# Altium PCB Mini-DSO-WaveGen-in-one.PcbDoc
Units mil, origin at the board's own origin, x right, y up, seen from the top; angles counter-clockwise.
Board outline 6000 x 4000 mil, 2 copper layers (Top Layer, Bottom Layer); 160 components, 102 nets, 553 pads, 8 vias.
Unrouted connection lines stored in the file: 250.
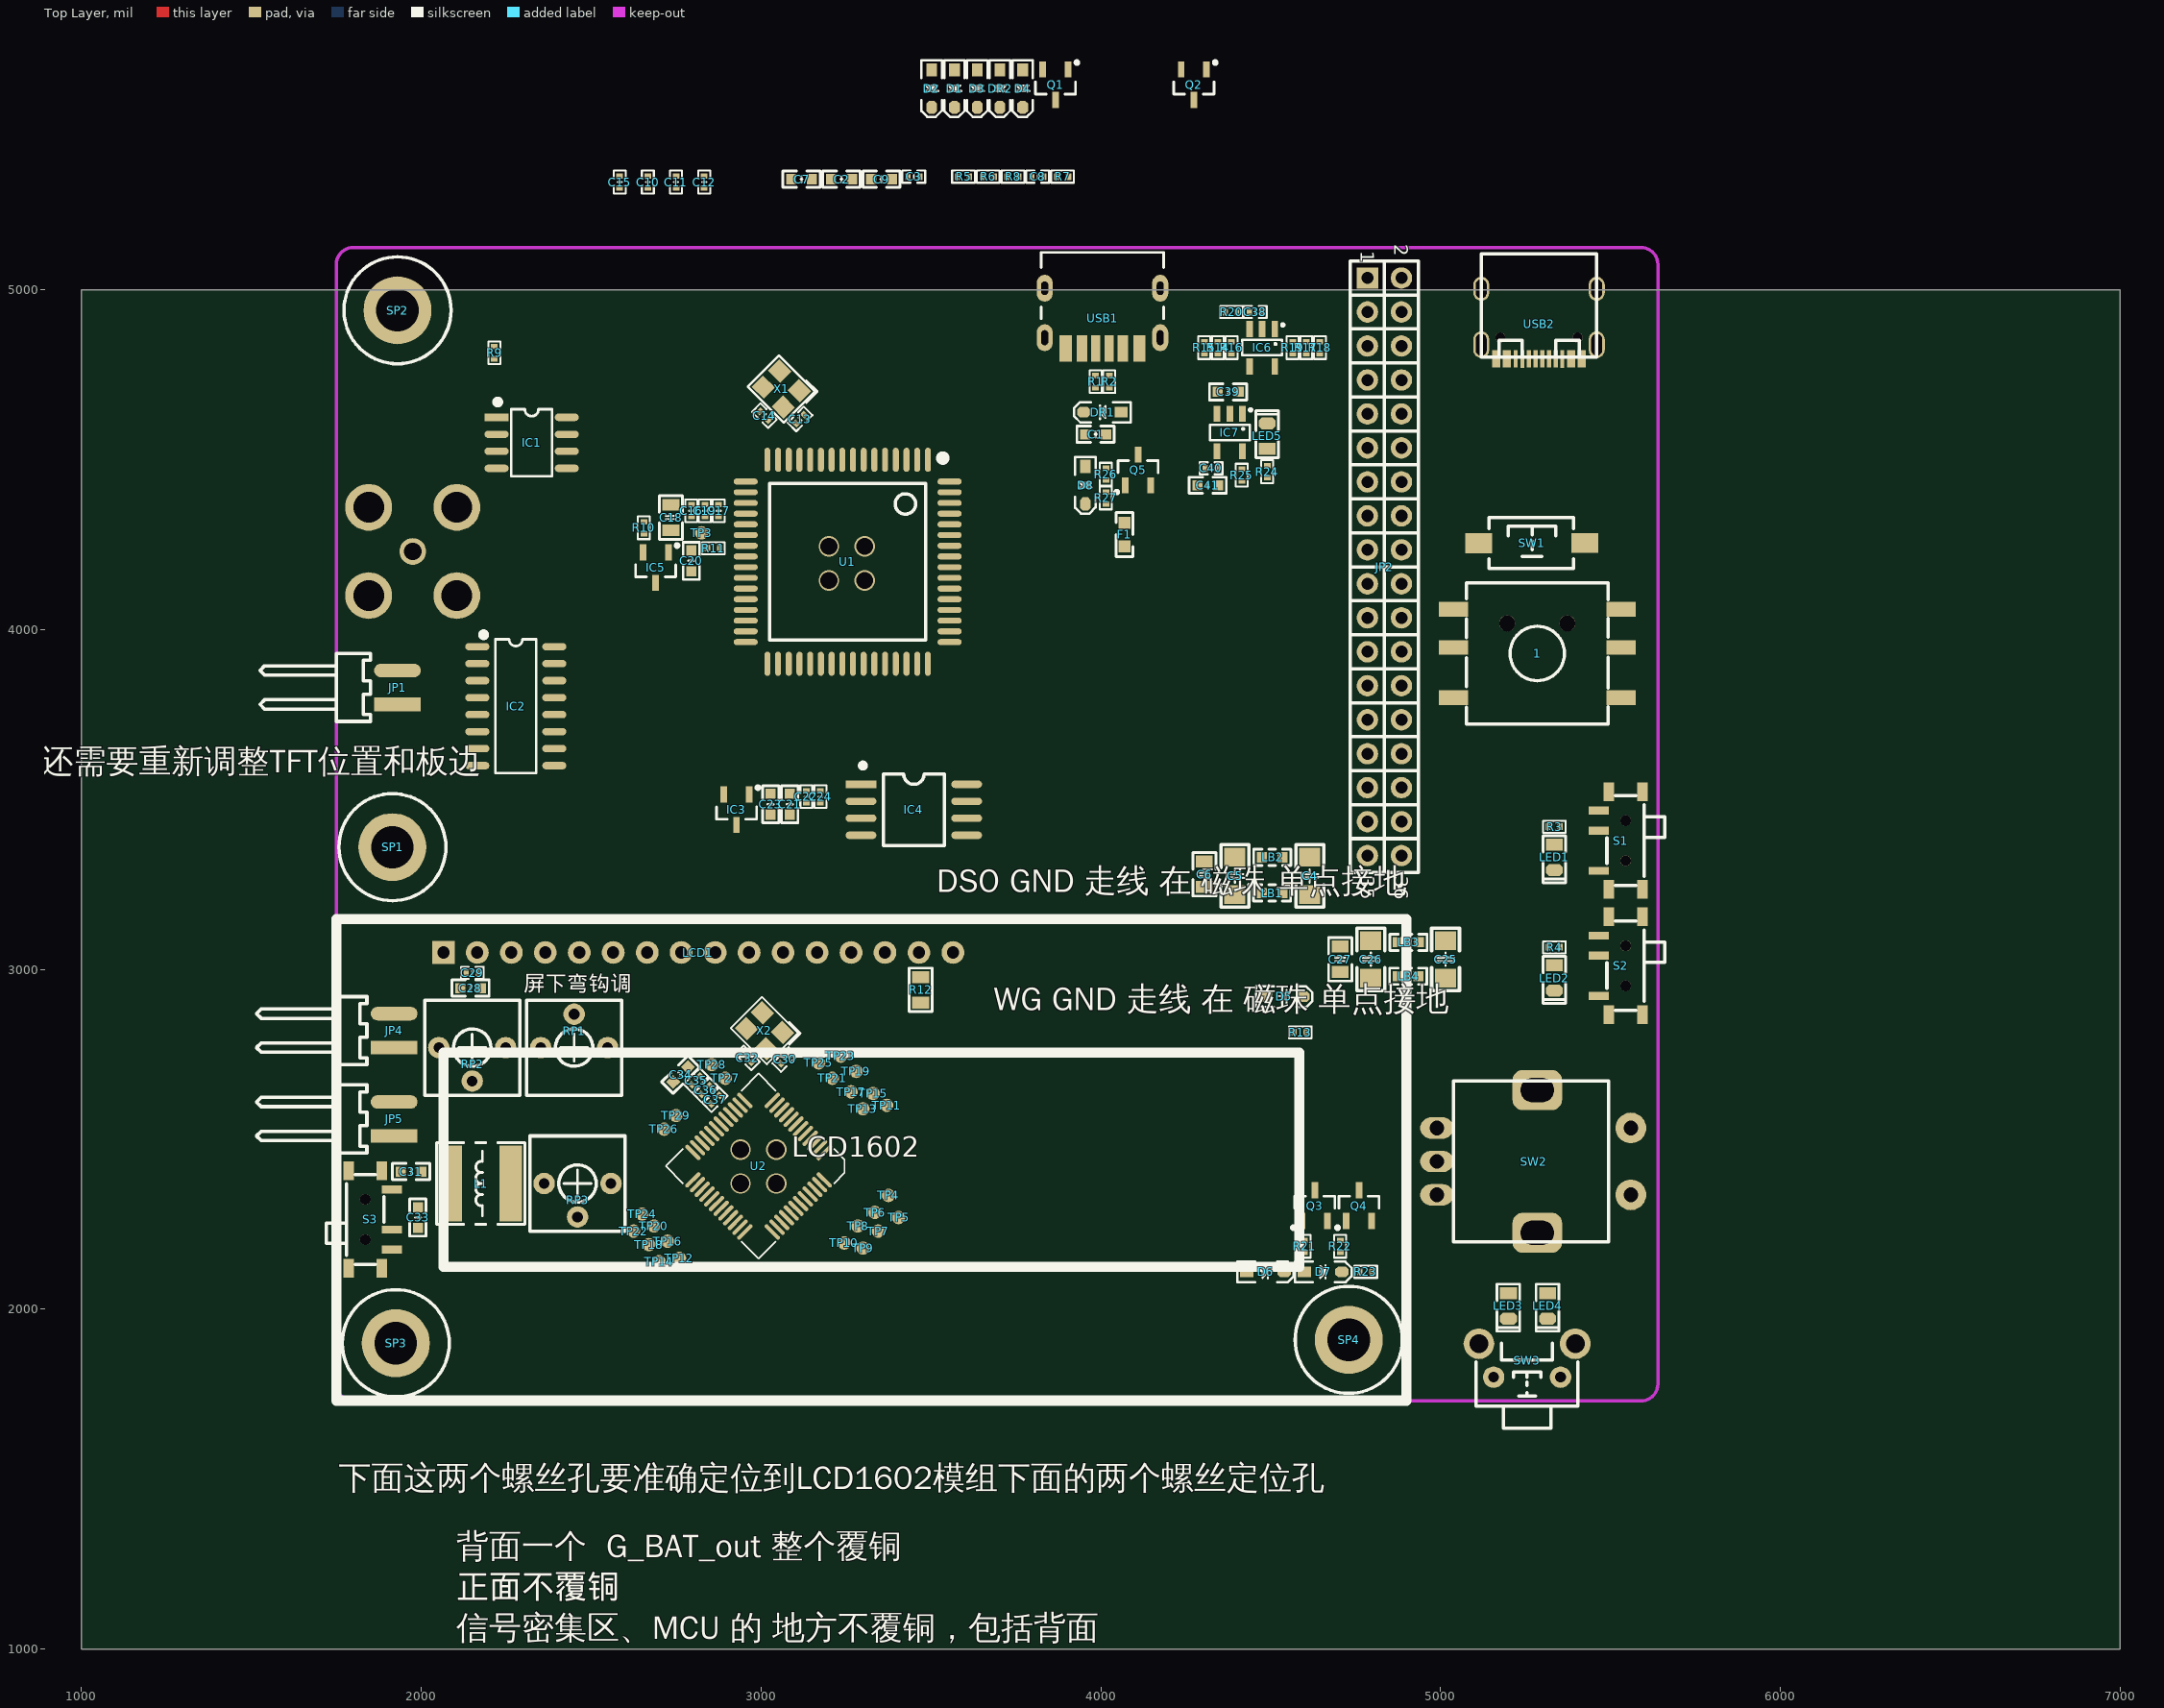
[diagram p0: Top Layer view]
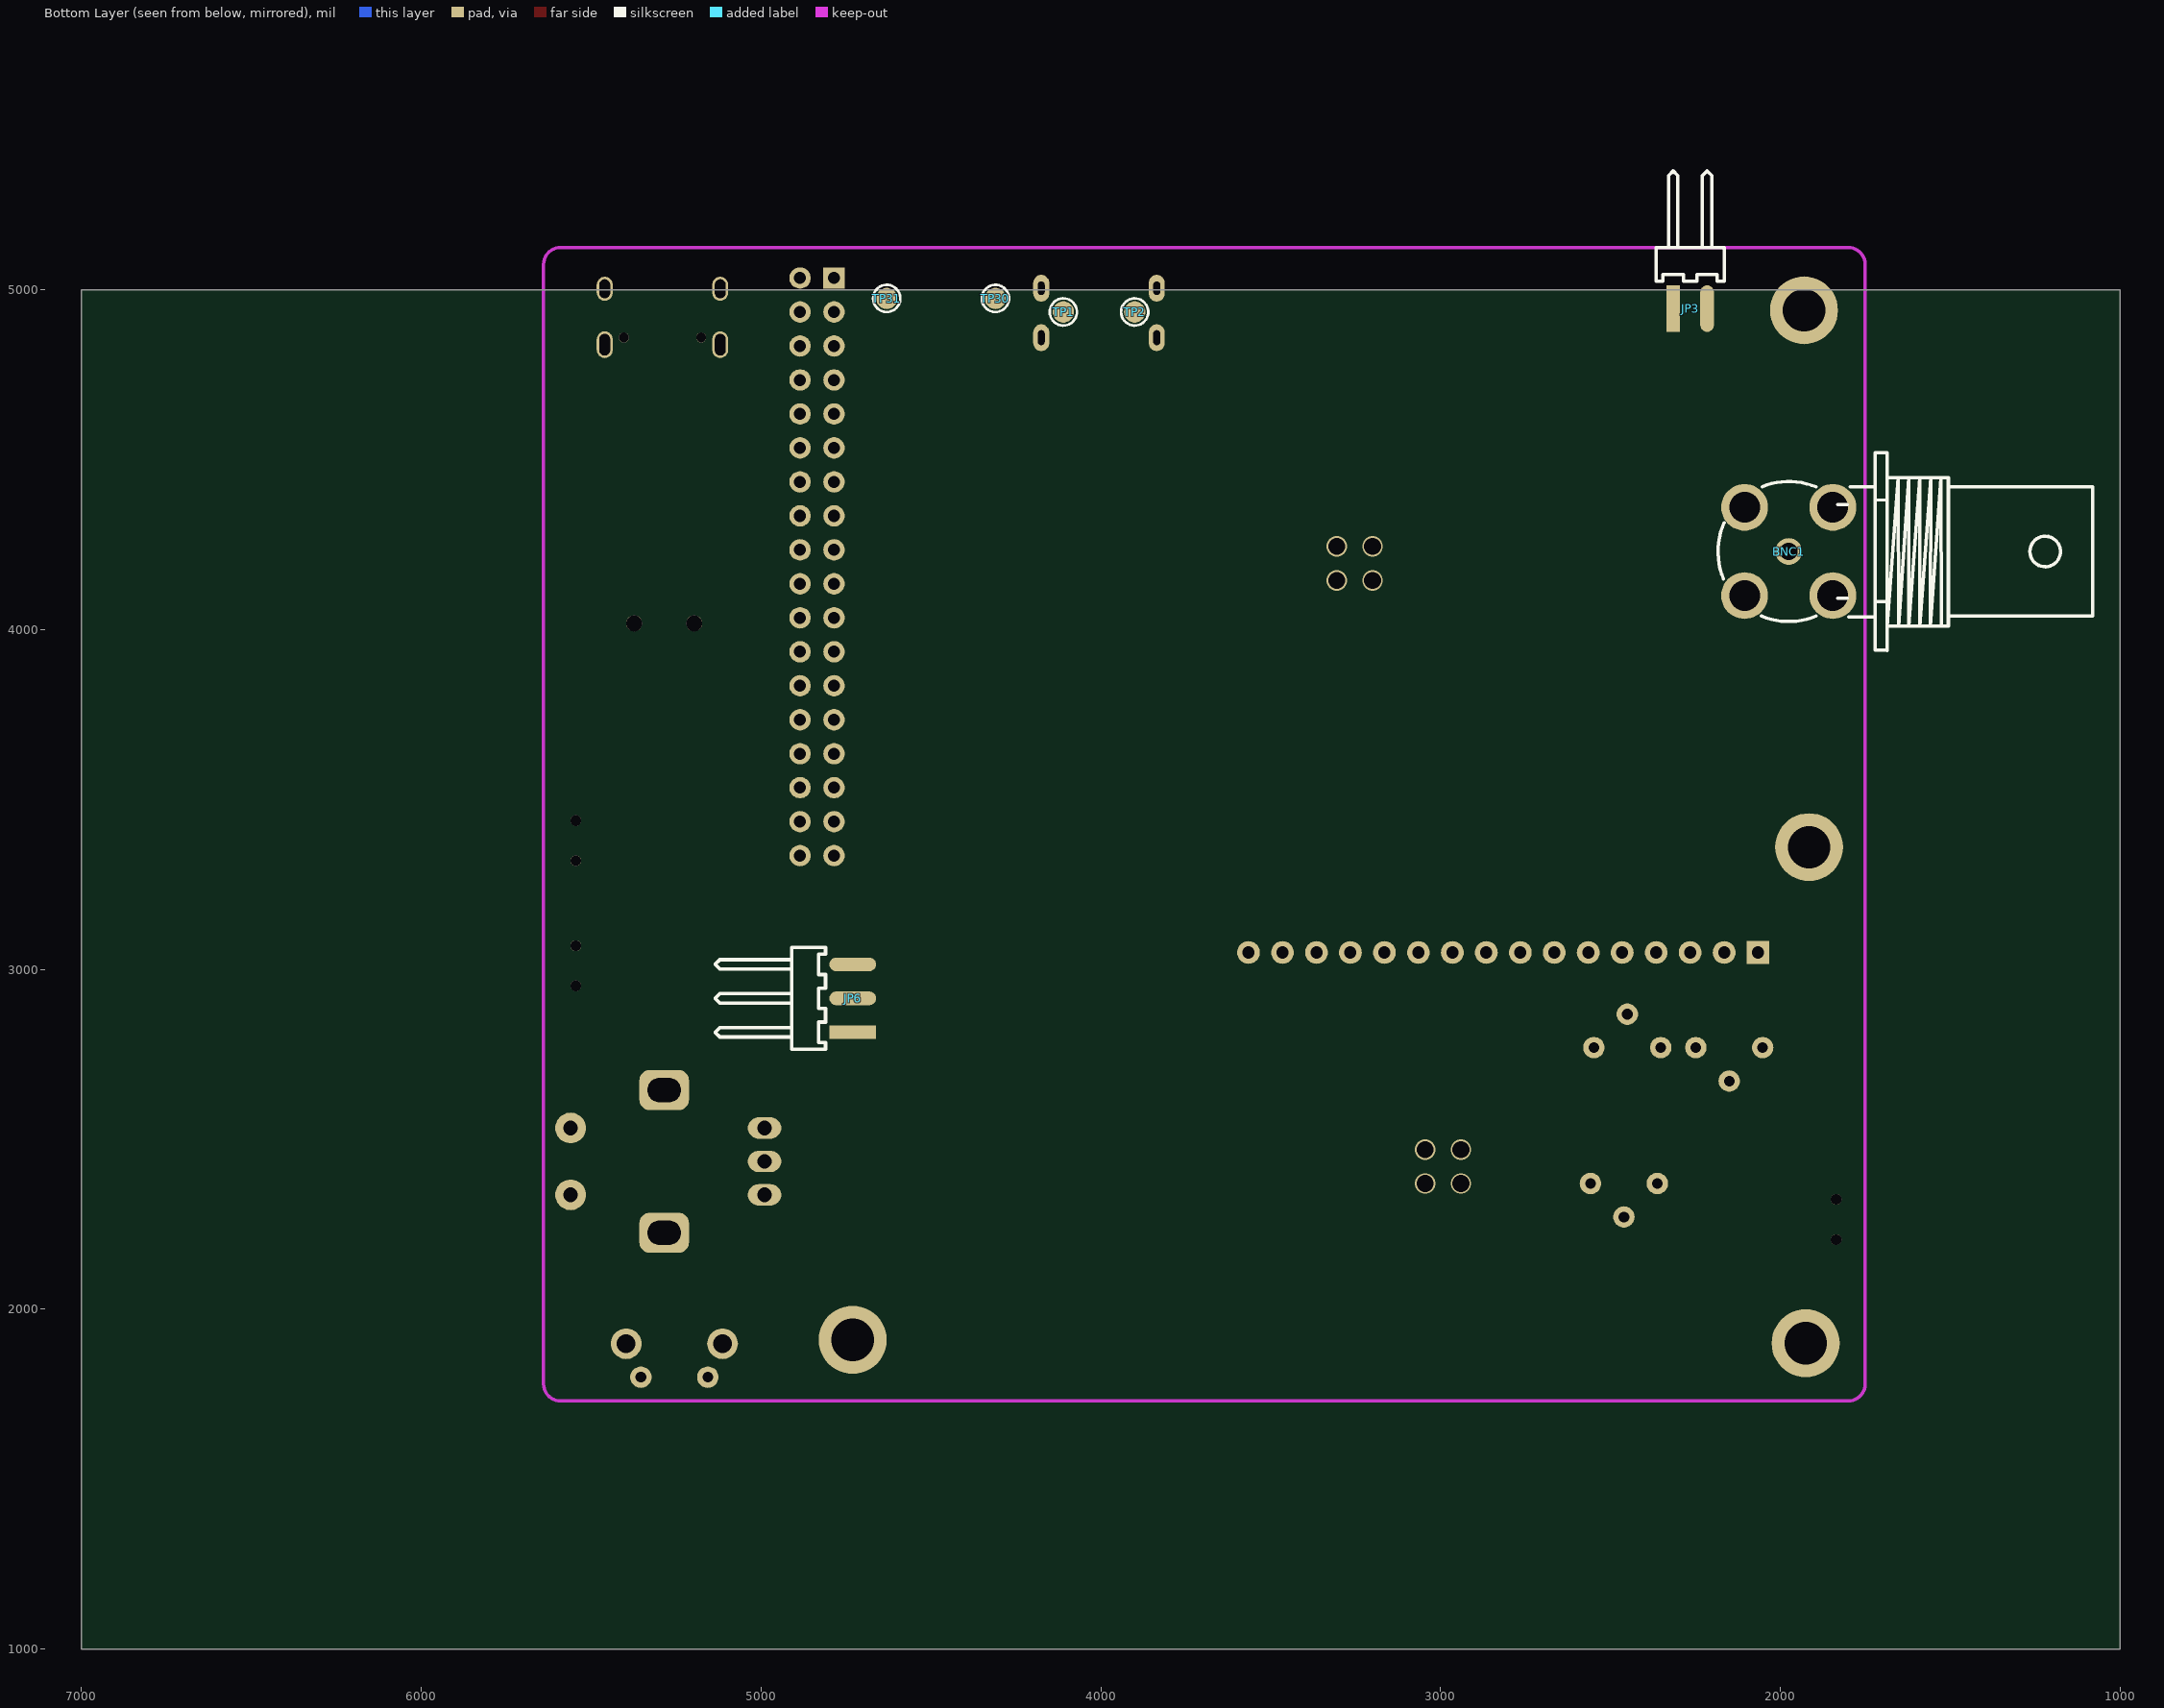
[diagram p1: Bottom Layer view, seen from below]

## Layer stack, top to bottom
Top Solder: solder mask 0.4, Solder Resist, Dk 3.5
Top Layer: signal copper 1.4
Dielectric 1: dielectric 12.6, FR-4, Dk 4.8
Bottom Layer: signal copper 1.4
Bottom Solder: solder mask 0.4, Solder Resist, Dk 3.5

## Board outline
1000,1000 7000,1000 7000,5000 1000,5000

## Design rules (kind name [scope] priority, off if disabled: settings)
Clearance Clearance_覆铜 [InPolygon] p1: gap=20 ignorepadtopadclearanceinfootprint=TRUE
Clearance [All] p2: gap=6 ignorepadtopadclearanceinfootprint=TRUE
ComponentClearance [All] p1 off: gap=0 collisioncheckmode=3 verticalgap=0 showdistances=FALSE
DiffPairsRouting [All] p1: maxlimit=50 minlimit=5 mostfreqgap=10 toplayer_minwidth=5 toplayer_maxwidth=500 toplayer_prefwidth=10 bottomlayer_minwidth=5 bottomlayer_maxwidth=500 bottomlayer_prefwidth=10 maxuncoupledlength=10 // 按需计算并设置
Height [All] p1 off: minheight=0 maxheight=1000 prefheight=500
HoleSize [All] p1: absolutevalues=TRUE maxlimit=500 minlimit=8 maxpercent=80.000 minpercent=20.000
HoleToHoleClearance [All] p1: gap=0 allowstackedmicrovias=TRUE
MatchedLengths ALL_atchedLengths [All] p1: tolerance=1 checknetsindiffpair=FALSE checkdiffpairvsdiffpair=TRUE checkxsignals=TRUE checkothers=TRUE
MinimumSolderMaskSliver [All] p1 off: minsoldermaskwidth=6
MinimumSolderMaskSliver SilkscreenOverComponentPads [All] p2 off: minsoldermaskwidth=6
PlaneConnect [All] p1: planeconnectstyle=Direct reliefexpansion=20 reliefentries=4 reliefconductorwidth=10 reliefairgap=10
PolygonConnect [All] p1: connectstyle=Direct reliefconductorwidth=10 reliefentries=4 polygonreliefangle="90 Angle" airgapwidth=10
RoutingVias [All] p1: holewidth=12 width=18 viastyle="Through Hole" minholewidth=8 minwidth=16 maxholewidth=500 maxwidth=520 // 8/16mil为JLC最小能力
SilkToSilkClearance [All] p1 off: silktosilkclearance=0
SilkToSolderMaskClearance [IsPad] p1 off: minsilkscreentomaskgap=0 clearancetoexposedcopper=TRUE
SolderMaskExpansion [All] p1: expansion=0 istentingtop=FALSE
UnRoutedNet [All] p1: checkbadconnections=TRUE
Width [All] p1: maxlimit=500 minlimit=3.5 preferedwidth=5
20 further rules are at their usual default settings.

## Classes and differential pairs
differential pair class Mini-DSO_USB: P30_Mini-DSO
component class U_锂电池电量显示: D6 D7 LED3 LED4 Q3 Q4 R21 R22 R23 SW3
component class U_路径自动切换电路-第二类-小功率: D8 F1 Q5 R26 R27
component class U_Mini-WaveGen: C25 C26 C27 C28 C29 C30 C31 C32 C33 C34 C35 C36 C37 D5 JP4 JP5 JP6 L1 LB3 LB4 LCD1 R12 R13 RP1 RP2 RP3 S3 SP3 SP4 SW2 TP4 TP5 TP6 TP7 TP8 TP9 TP10 TP11 TP12 TP13 TP14 TP15 TP16 TP17 TP18 TP19 TP20 TP21 TP22 TP23 TP24 TP25 TP26 TP27 TP28 TP29 U2 X2
component class U_Mini-DSO: 1 BNC1 C2 C3 C4 C5 C6 C7 C8 C9 C10 C11 C12 C13 C14 C15 C16 C17 C18 C19 C20 C21 C22 C23 C24 D1 D2 D3 D4 DR2 IC1 IC2 IC3 IC4 IC5 JP1 JP2 JP3 LB1 LB2 Q1 Q2 R5 R6 R7 R8 R9 R10 R11 SP1 SP2 SW1 TP3 U1 USB2 X1
component class U_1S锂电池充电_tp4054: C39 C40 C41 IC7 LED5 R24 R25
component class U_1S锂电池保护: C38 IC6 R14 R15 R16 R17 R18 R19 R20 TP30 TP31
component class Mini-DSO-WaveGen-in-one: C1 DR1 LED1 LED2 R1 R2 R3 R4 S1 S2 TP1 TP2 USB1
differential pair P30_Mini-DSO: +P30_Mini-DSO_P -P30_Mini-DSO_N

## Components (designator, comment, footprint, x,y, rotation, side; value= is the part's Value field where it differs from the comment)
1 "SW?" "TSW 10x10x9-5Key-LS" 5285,3930 r0 top
BNC1 "DOSIN-801-0083" BNC-TH_DOSIN-801-0083 1974.9,4230.1 r180 bottom
C1 "10uF/25V" "C 0603_L" 3985,4575 r180 top
C2 "10uF/25V" "C 0603_L" 3237.1,5325.94 r180 top
C3 "0.1uF/50V" "C 0402_L" 3450.02,5333.22 r180 top
C4 "47uF/10V" "C 1206_L" 4615,3275 r270 top
C5 "47uF/10V" "C 1206_L" 4395,3275 r270 top
C6 "22uF/25V" "C 0805_L" 4305,3280 r270 top
C7 "10uF/25V" "C 0603_L" 3119.45,5325.94 r180 top
C8 "0.1uF/50V" "C 0402_L" 3814.64,5333.22 r180 top
C9 "10uF/25V" "C 0603_L" 3354.74,5325.94 r180 top
C10 "0.1uF/50V" "C 0402_L" 2667.02,5317.48 r270 top
C11 "0.1uF/50V" "C 0402_L" 2749.88,5317.48 r270 top
C12 "0.1uF/50V" "C 0402_L" 2832.75,5317.48 r270 top
C13 "15pF/50V" "C 0402_L" 3115,4620 r225 top
C14 "15pF/50V" "C 0402_L" 3010,4630 r315 top
C15 "0.1uF/50V" "C 0402_L" 2584.15,5317.48 r270 top
C16 "0.1uF/50V" "C 0402_L" 2795,4350 r270 top
C17 "0.01uF/50V" "C 0402_L" 2875,4350 r270 top
C18 "22uF/25V" "C 0805_L" 2735,4330 r90 top
C19 "0.1uF/50V" "C 0402_L" 2835,4350 r270 top
C20 "1uF/50V" "C 0603_L" 2795,4202.72 r90 top
C21 "10uF/25V" "C 0603_L" 3084.62,3486.18 r270 top
C22 "0.1uF/50V" "C 0402_L" 3133.34,3508.54 r270 top
C23 "10uF/25V" "C 0603_L" 3028.62,3486.18 r270 top
C24 "0.1uF/50V" "C 0402_L" 3174.77,3508.54 r270 top
C25 "47uF/10V" "C 1206_L" 5015,3030 r90 top
C26 "47uF/10V" "C 1206_L" 4795,3030 r90 top
C27 "22uF/25V" "C 0805_L" 4705,3030 r90 top
C28 "10uF/25V" "C 0603_L" 2145,2945 r0 top
C29 "0.1uF/50V" "C 0402_L" 2150,2990 r180 top
C30 "47pF/50V" "C 0402_L" 3070,2735 r225 top
C31 "0.22uF/50V" "C 0603_L" 1970,2405 r0 top
C32 "47pF/50V" "C 0402_L" 2960,2740 r315 top
C33 "1uF/50V" "C 0603_L" 1990,2270 r270 top
C34 "10uF/25V" "C 0603_L" 2763.08,2690.71 r45 top
C35 "0.1uF/50V" "C 0402_L" 2809.04,2673.03 r225 top
C36 "0.1uF/50V" "C 0402_L" 2837.32,2644.75 r225 top
C37 "0.01uF/50V" "C 0402_L" 2865.61,2616.46 r225 top
C38 "0.1uF/50V" "C 0402_L" 4455,4935 r180 top
C39 "1uF/50V" "C 0603_L" 4375,4700 r180 top
C40 "0.1uF/50V" "C 0402_L" 4325,4475 r180 top
C41 "10uF/25V" "C 0603_L" 4315,4425 r0 top
D1 "1N4148WS" SOD-323 3569.38,5592.4 r270 top
D2 "1N5819WS" SOD-323 3502.38,5592.4 r270 top
D3 "1N5819WS" SOD-323 3636.38,5592.4 r270 top
D4 "1N5819WS" SOD-323 3770.38,5592.4 r270 top
D5 "1N4148WS" SOD-323 4540,2920 r0 top
D6 "1N4148WS" SOD-323 4485,2110 r0 top
D7 "1N4148WS" SOD-323 4655,2110 r0 top
D8 "1N5819WS" SOD-323 3955,4425 r270 top
DR1 "BV05C" SOD-323 4005,4640 r180 top
DR2 "BV05C" SOD-323 3703.38,5592.4 r270 top
F1 "SMD0603-020" "FU 0603" 4070,4280 r90 top
IC1 "TP2604" SOP8_N 2325,4550 r0 top
IC2 "74HC4051" SOP16_N 2278.27,3775 r0 top
IC3 "XC6206P332MR" SOT23-3N 2927.78,3470.16 r180 top
IC4 "W25Q64" SOP8W_N 3450,3470 r0 top
IC5 "TL431LIAIDBZR" SOT23-3N 2690,4182.72 r180 top
IC6 "XB5608AF" SOT23-5N 4475,4830 r180 top
IC7 "TP4054" SOT23-5N 4380,4580 r180 top
JP1 "DSOin" HDR2.54-WS-2P 1930,3830 r90 top
JP2 "LCD接口TFT480x320" HDR2.54-LI-2x18P 4835,4185 r270 top
JP3 "1KHz" HDR2.54-WS-2P 2265,4945 r180 bottom
JP4 "PWM" HDR2.54-WS-2P 1920,2820 r90 top
JP5 "SIN" HDR2.54-WS-2P 1920,2560 r90 top
JP6 "STC15_down" HDR2.54-WS-3P 4730,2915 r90 bottom locked
L1 "1mH" NR6045 2175,2370 r180 top
LB1 "FBMA-11-160808-601A10T" "FB 0603_L" 4504.41,3225 r180 top
LB2 "FBMA-11-160808-601A10T" "FB 0603_L" 4505,3330 r180 top
LB3 "FBMA-11-160808-601A10T" "FB 0603_L" 4905.59,3080 r180 top
LB4 "FBMA-11-160808-601A10T" "FB 0603_L" 4905,2980 r180 top
LCD1 "LCD 1602" LCD-1602 2065,3050 r0 top locked
LED1 "Mini-DSO" "LED 0805R" 5335,3330 r270 top locked
LED2 "Mini-WG" "LED 0805R" 5335,2975 r270 top locked
LED3 "L" "LED 0805R" 5200,2010 r270 top locked
LED4 "M" "LED 0805R" 5315,2010 r270 top locked
LED5 "Charging" "LED 0805R" 4490,4570 r90 top
Q1 "SS8550" SOT23-3N 3866.82,5604.06 r180 top
Q2 "SS8050" SOT23-3N 4274.14,5604.06 r180 top
Q3 "SS8050" SOT23-3N 4630,2305 r0 top
Q4 "SS8050" SOT23-3N 4760,2305 r0 top
Q5 "IRLML6401TRPBF" SOT23-3N 4110,4470 r0 top
R1 "5.1K" "R 0402_L" 3985,4730 r90 top
R2 "5.1K" "R 0402_L" 4025,4730 r90 top
R3 "2K" "R 0402_L" 5335,3420 r180 top locked
R4 "2K" "R 0402_L" 5335,3065 r180 top locked
R5 "5.1K" "R 0402_L" 3595.87,5333.22 r180 top
R6 "22R" "R 0402_L" 3668.79,5333.22 r180 top
R7 "22R" "R 0402_L" 3887.56,5333.22 r180 top
R8 "5.1K" "R 0402_L" 3741.71,5333.22 r180 top
R9 "200R" "R 0402_L" 2215,4815 r90 top
R10 "10K" "R 0402_L" 2655,4300 r90 top
R11 "0R" "R 0402_L" 2860,4240 r0 top
R12 "10R" "R 0805_L" 3470,2940 r90 top
R13 "300R" "R 0402_L" 4587.28,2815 r180 top
R14 "0R" "R 0402_L" 4345,4830 r270 top
R15 "0R" "R 0402_L" 4305,4830 r270 top
R16 "0R" "R 0402_L" 4385,4830 r270 top
R17 "0R" "R 0402_L" 4605,4830 r270 top
R18 "0R" "R 0402_L" 4645,4830 r270 top
R19 "0R" "R 0402_L" 4565,4830 r270 top
R20 "1K" "R 0402_L" 4385,4935 r0 top
R21 "10K" "R 0402_L" 4600,2185 r90 top
R22 "10K" "R 0402_L" 4705,2185 r90 top
R23 "1K" "R 0402_L" 4780,2110 r0 top
R24 "2K" "R 0402_L" 4490,4465 r270 top
R25 "2.5K" "R 0402_L" 4415,4455 r270 top
R26 "10K" "R 0402_L" 4015,4457.72 r90 top
R27 "100K" "R 0402_L" 4015,4387.72 r90 top
RP1 "10K" 3362P 2450,2770 r0 top
RP2 "500" 3362P 2150,2770 r180 top
RP3 "200K" 3362P 2460,2370 r180 top
S1 "Mini-DSO Switch" MSK-12C01-07 5545,3379.06 r90 top locked
S2 "Mini-WG Switch" MSK-12C01-07 5545,3010.94 r90 top locked
S3 "isLowFreq" MSK-12C01-07 1835,2264.06 r270 top
SP1 "M3铜柱" M3x4_L 1915,3360 r180 top
SP2 "M3铜柱" M3x4_L 1930,4940 r180 top
SP3 "M3铜柱" M3x4_L 1925,1900 r180 top
SP4 "M3铜柱" M3x4_L 4730,1910 r180 top
SW1 "3x6x5" "TSW SMD-3*6*2.5" 5270,4255 r0 top
SW2 "EC11" EC11-B 5275,2435 r180 top locked
SW3 "ShowBAT" "TSW DIP-3*6*5_V" 5255,1800 r0 top locked
TP1 "5V_in" "TEST 1.6" 4110,4935 r90 bottom
TP2 "G_in" "TEST 1.6" 3900,4935 r90 bottom
TP3 "2V5Vref" "TEST 1" 2825,4285 r270 top
TP4 "IO" "TEST 1" 3375,2335 r270 top
TP5 "IO" "TEST 1" 3405,2270 r270 top
TP6 "IO" "TEST 1" 3335,2285 r270 top
TP7 "IO" "TEST 1" 3345,2230 r270 top
TP8 "IO" "TEST 1" 3285,2245 r270 top
TP9 "IO" "TEST 1" 3300,2180 r270 top
TP10 "IO" "TEST 1" 3245,2195 r270 top
TP11 "IO" "TEST 1" 3370,2600 r270 top
TP12 "IO" "TEST 1" 2760,2150 r270 top
TP13 "IO" "TEST 1" 3300,2590 r270 top
TP14 "IO" "TEST 1" 2700,2140 r270 top
TP15 "IO" "TEST 1" 3330,2635 r270 top
TP16 "IO" "TEST 1" 2725,2200 r270 top
TP17 "IO" "TEST 1" 3265,2640 r270 top
TP18 "IO" "TEST 1" 2670,2190 r270 top
TP19 "IO" "TEST 1" 3280,2700 r270 top
TP20 "IO" "TEST 1" 2685,2245 r270 top
TP21 "IO" "TEST 1" 3210,2680 r270 top
TP22 "IO" "TEST 1" 2625,2230 r270 top
TP23 "IO" "TEST 1" 3235,2745 r270 top
TP24 "IO" "TEST 1" 2650,2280 r270 top
TP25 "IO" "TEST 1" 3170,2725 r270 top
TP26 "IO" "TEST 1" 2715,2530 r270 top
TP27 "IO" "TEST 1" 2895,2680 r270 top
TP28 "IO" "TEST 1" 2855,2720 r270 top
TP29 "IO" "TEST 1" 2750,2570 r270 top
TP30 "BAT+" "TEST 1.6" 4310,4975 r0 bottom
TP31 "BAT-" "TEST 1.6" 4630,4975 r0 bottom
U1 "STC32G12K128-Beta-LQFP64" "LQFP64 14x14_N" 3255,4200 r180 top
U2 "STC15W4K32S4-30I-LQFP48" LQFP48 3186.28,2461.41 r225 top locked
USB1 "USB-C" USB-C/S_C 4005.08,5105.4 r180 top
USB2 "USB3.1C16PFSMT" TYPE-C-USB-17 5290,4900 r180 top locked
X1 "33M" "OSC 3225-4P" 3060,4708.28 r135 top
X2 "24M" "OSC 3225-4P" 3010,2820 r135 top

## Footprints (in the part's own frame and the unit in brackets; to place one, negate y for a bottom-side part, rotate by r counter-clockwise, add the part's x,y. Pads: shape width x height; smd on the part's side, far side on the other; paste and mask are expansions set on the pad)
3362P [mm]
  round 1.6 hole 0.8: 1(-2.5,0) 2(0,2.5) 3(2.5,0)
  silkscreen extent -3.56,-3.56 3.56,3.56, body extent -3.3,-3.3 3.3,3.3, height 4.74
BNC-TH_DOSIN-801-0083 [mil]
  round 137.8 hole 90.6 mask+2: 1(-129.9,-129.9) 2(-129.9,129.9) 3(129.9,129.9) 4(129.9,-129.9)
  round 78.7 hole 51.2 mask+2: 5(0,0)
  silkscreen extent -208,-291 895,291
"C 0402_L" [mm] "无极性贴片电容"
  rect 0.4x0.5 smd: 1(-0.45,0) 2(0.45,0)
  silkscreen extent -0.85,-0.45 0.85,0.45, body extent -0.5,-0.26 0.5,0.26, height 0.53
"C 0603_L" [mil] "无极性贴片电容"
  rect 30x30 smd: 1(-30.59,0) 2(30.59,0)
  silkscreen extent -55,-24 55,24, body extent -31,-16 31,16, height 32
"C 0805_L" [mil] "无极性贴片电容"
  rect 35x50 smd: 1(-37.4,0) 2(37.4,0)
  silkscreen extent -64,-34 64,34, body extent -39,-24 39,24, height 20
"C 1206_L" [mil] "无极性贴片电容"
  rect 55x62 smd: 1(-55.12,0) 2(55.11,0)
  silkscreen extent -92,-41 92,41, body extent -63,-32 63,32, height 48
EC11-B [mm] "数字开关编码器"
  rrect50% 3.7x3 hole 1.8 slot 2.5 at 0 deg: 0(-0.254,5.334) 0(-0.254,-5.334)
  round 2.3 hole 1.1: 1(-7.25,2.5) 2(-7.25,-2.5)
  oval 2.5x1.6 hole 1.1: A(7.25,-2.5) B(7.25,2.5) C(7.25,0)
  silkscreen extent -5.59,-6 6,6, body extent -7.4,-6.24 7.4,6.24, height 22
"FB 0603_L" [mil] "小功率贴片磁珠"
  rect 30x30 smd: 1(-30.59,0) 2(30.59,0)
  silkscreen extent -55,-24 55,24, body extent -31,-16 32,16, height 31
"FU 0603" [mil] "贴片保险丝"
  rect 35x35 smd: 1(-35,0) 2(35,0)
  silkscreen extent -65,-25 65,25, body extent -31,-16 31,16, height 20
HDR2.54-LI-2x18P [mm] "双排排针，18x2脚"
  rect 1.6x1.6 hole 0.9: 1(-21.59,-1.27)
  round 1.6 hole 0.9: 2(-21.59,1.27) 3(-19.05,-1.27) 4(-19.05,1.27) 5(-16.51,-1.27) 6(-16.51,1.27) 7(-13.97,-1.27) 8(-13.97,1.27) 9(-11.43,-1.27) 10(-11.43,1.27) 11(-8.89,-1.27) 12(-8.89,1.27) 13(-6.35,-1.27) 14(-6.35,1.27) 15(-3.81,-1.27) 16(-3.81,1.27) 17(-1.27,-1.27) 18(-1.27,1.27) 19(1.27,-1.27) 20(1.27,1.27) 21(3.81,-1.27) 22(3.81,1.27) 23(6.35,-1.27) 24(6.35,1.27) 25(8.89,-1.27) 26(8.89,1.27) 27(11.43,-1.27) 28(11.43,1.27) 29(13.97,-1.27) 30(13.97,1.27) 31(16.51,-1.27) 32(16.51,1.27) 33(19.05,-1.27) 34(19.05,1.27) 35(21.59,-1.27) 36(21.59,1.27)
  silkscreen extent -22.86,-2.54 22.86,2.54, body extent -22.86,-2.54 22.86,2.54, height 8.5
HDR2.54-WS-2P [mm] "2P卧式贴片排针2.54"
  rect 1.02x3.5 smd: 1(-1.27,0)
  oval 1.02x3.5 smd: 2(1.27,0)
  silkscreen extent -2.54,2.03 2.54,10.29, body extent -2.54,-0.76 2.54,10.34, height 2.54
HDR2.54-WS-3P [mm] "3P卧式贴片排针2.54"
  rect 1.02x3.5 smd: 1(-2.54,0)
  oval 1.02x3.5 smd: 2(0,0) 3(2.54,0)
  silkscreen extent -3.81,2.03 3.81,10.29, body extent -3.81,-0.76 3.81,10.34, height 2.54
LCD-1602 [mm] "LCD module 16*2 char"
  rect 1.7x1.7 hole 0.9: 1(0,0)
  round 1.7 hole 0.9: 2(2.54,0) 3(5.08,0) 4(7.62,0) 5(10.16,0) 6(12.7,0) 7(15.24,0) 8(17.78,0) 9(20.32,0) 10(22.86,0) 11(25.4,0) 12(27.94,0) 13(30.48,0) 14(33.02,0) 15(35.56,0) 16(38.1,0)
  silkscreen extent -8,-33.5 72,2.5, body extent -8.15,-33.11 71.85,1.89, height 9
"LED 0805R" [mil] "红色0805LED"
  rect 35x50 smd: 1(-37.41,0)
  oct 35x50 smd: 2(37.4,0)
  silkscreen extent -64,-33 75,33, body extent -39,-25 39,25, height 32
LQFP48 [mm]
  rect 1.5x0.3 smd: 1(0,0)
  oval 1.5x0.3 smd: 2(0,-0.5) 3(0,-1) 4(0,-1.5) 5(0,-2) 6(0,-2.5) 7(0,-3) 8(0,-3.5) 9(0,-4) 10(0,-4.5) 11(0,-5) 12(0,-5.5) 25(8.4,-5.5) 26(8.4,-5) 27(8.4,-4.5) 28(8.4,-4) 29(8.4,-3.5) 30(8.4,-3) 31(8.4,-2.5) 32(8.4,-2) 33(8.4,-1.5) 34(8.4,-1) 35(8.4,-0.5) 36(8.4,0)
  oval 0.3x1.5 smd: 13(1.45,-6.95) 14(1.95,-6.95) 15(2.45,-6.95) 16(2.95,-6.95) 17(3.45,-6.95) 18(3.95,-6.95) 19(4.45,-6.95) 20(4.95,-6.95) 21(5.45,-6.95) 22(5.95,-6.95) 23(6.45,-6.95) 24(6.95,-6.95) 37(6.95,1.45) 38(6.45,1.45) 39(5.95,1.45) 40(5.45,1.45) 41(4.95,1.45) 42(4.45,1.45) 43(3.95,1.45) 44(3.45,1.45) 45(2.95,1.45) 46(2.45,1.45) 47(1.95,1.45) 48(1.45,1.45)
  silkscreen extent -0.7,-7.65 9.1,2.15
"LQFP64 14x14_N" [mm] "64脚，体宽14x14mm，脚距0.8mm"
  oval 0.45x1.8 smd: 1(-6,-7.617) 2(-5.2,-7.617) 3(-4.4,-7.617) 4(-3.6,-7.617) 5(-2.8,-7.617) 6(-2,-7.617) 7(-1.2,-7.617) 8(-0.4,-7.617) 9(0.4,-7.617) 10(1.2,-7.617) 11(2,-7.617) 12(2.8,-7.617) 13(3.6,-7.617) 14(4.4,-7.617) 15(5.2,-7.617) 16(6,-7.617) 33(6,7.629) 34(5.2,7.629) 35(4.4,7.629) 36(3.6,7.629) 37(2.8,7.629) 38(2,7.629) 39(1.2,7.629) 40(0.4,7.629) 41(-0.4,7.629) 42(-1.2,7.629) 43(-2,7.629) 44(-2.8,7.629) 45(-3.6,7.629) 46(-4.4,7.629) 47(-5.2,7.629) 48(-6,7.629)
  oval 1.8x0.45 smd: 17(7.623,-5.994) 18(7.623,-5.194) 19(7.623,-4.394) 20(7.623,-3.594) 21(7.623,-2.794) 22(7.623,-1.994) 23(7.623,-1.194) 24(7.623,-0.394) 25(7.623,0.406) 26(7.623,1.206) 27(7.623,2.006) 28(7.623,2.806) 29(7.623,3.606) 30(7.623,4.406) 31(7.623,5.206) 32(7.623,6.006) 49(-7.623,6.006) 50(-7.623,5.206) 51(-7.623,4.406) 52(-7.623,3.606) 53(-7.623,2.806) 54(-7.623,2.006) 55(-7.623,1.206) 56(-7.623,0.406) 57(-7.623,-0.394) 58(-7.623,-1.194) 59(-7.623,-1.994) 60(-7.623,-2.794) 61(-7.623,-3.594) 62(-7.623,-4.394) 63(-7.623,-5.194) 64(-7.623,-5.994)
  silkscreen extent -7.36,-8 5.84,5.84, body extent -8,-8 8,8.01, height 1.45
M3x4_L [mil] "M3铜柱，长：4mm"
  round 200 hole 125: 1(0,0)
  silkscreen extent -157,-157 157,157, body extent -106,-93 106,93, height 159
MSK-12C01-07 [mm] "6.7*2.8*1.5mm(长宽高）"
  rect 1.4x0.8 smd: 0(-3.65,-1.25) 0(-3.65,1.25) 0(3.65,-1.25) 0(3.65,1.25)
  rect 0.6x1.5 smd: 1(-2.25,1.996) 2(0.75,1.996) 3(2.25,1.996)
  round 0.8 hole 0.8: " "(-1.5,0) " "(1.5,0)
  silkscreen extent -3.35,-2.92 3.35,1.4, body extent -3.92,-2.9 3.92,2.4, height 1.5
NR6045 [mm] "6.0mm*6.0mm*4.5mm(长*宽*高）"
  rect 1.7x5.7 smd: 1(-2.25,0) 2(2.25,0)
  silkscreen extent -3.3,-3.05 3.3,3.05, body extent -3,-3 3,3, height 4.6
"OSC 3225-4P" [mm] "3.2*2.5*0.7mm(长宽高)"
  rect 1.3x1.2 smd: 1(-1.05,-0.85) 2(1.05,-0.85) 3(1.05,0.85) 4(-1.05,0.85)
  silkscreen extent -2.03,-1.75 1.9,1.65, body extent -1.6,-1.25 1.6,1.25, height 0.7
"R 0402_L" [mm] "1/16W贴片电阻"
  rect 0.4x0.5 smd: 1(-0.45,0) 2(0.45,0)
  silkscreen extent -0.85,-0.45 0.85,0.45, body extent -0.5,-0.25 0.5,0.25, height 0.3
"R 0805_L" [mil] "1/8W贴片电阻"
  rect 35x50 smd: 1(-37.4,0) 2(37.4,0)
  silkscreen extent -64,-34 64,34, body extent -39,-25 39,25, height 20
SOD-323 [mm] "1.8x1.3X0.9mm（长宽高，不包括引脚）"
  rect 1x0.8 smd: 1(-1.4,0)
  oct 1x0.8 smd: 2(1.4,0)
  silkscreen extent -2.11,-0.76 2.11,0.76, body extent -1.34,-0.63 1.31,0.67, height 1
SOP8_N [mm] "5*6*1.8mm（长宽高）"
  rect 1.8x0.55 smd: 1(-2.625,1.905)
  oval 1.8x0.55 smd: 2(-2.625,0.635) 3(-2.625,-0.635) 4(-2.625,-1.905) 5(2.625,-1.905) 6(2.625,-0.635) 7(2.625,0.635) 8(2.625,1.905)
  silkscreen extent -2.69,-2.5 1.52,3.2, body extent -3,-2.5 3,2.5, height 1.9
SOP8W_N [mm] "5.3*8.3*1.8mm（长宽高）"
  rect 2.3x0.55 smd: 1(-3.95,1.905)
  oval 2.3x0.55 smd: 2(-3.95,0.635) 3(-3.95,-0.635) 4(-3.95,-1.905) 5(3.95,-1.905) 6(3.95,-0.635) 7(3.95,0.635) 8(3.95,1.905)
  silkscreen extent -3.94,-2.67 2.29,3.43, body extent -3.94,-2.64 3.94,2.64, height 1.9
SOP16_N [mm] "10.3*6.2*1.8mm（长宽高）"
  oval 1.8x0.55 smd: 1(-2.877,4.445) 2(-2.877,3.175) 3(-2.877,1.905) 4(-2.877,0.635) 5(-2.877,-0.635) 6(-2.877,-1.905) 7(-2.877,-3.175) 8(-2.877,-4.445) 9(2.877,-4.445) 10(2.877,-3.175) 11(2.877,-1.905) 12(2.877,-0.635) 13(2.877,0.635) 14(2.877,1.905) 15(2.877,3.175) 16(2.877,4.445)
  silkscreen extent -2.57,-5 1.52,5.49, body extent -3,-5 3,5, height 1.9
SOT23-3N [mm] "3x1.3x1mm(长宽高)"
  rect 0.5x1.2 smd: 1(-0.95,-1.143) 2(0.95,-1.143) 3(0,1.143)
  silkscreen extent -1.73,-1.78 1.5,0.7, body extent -1.5,-1.2 1.5,1.2, height 1.05
SOT23-5N [mm] "3x1.6x1.1mm(长宽高)"
  rect 0.5x1.2 smd: 1(-0.95,-1.4) 2(0,-1.4) 3(0.95,-1.4) 4(0.95,1.4) 5(-0.95,1.4)
  silkscreen extent -1.63,-1.78 1.5,0.56, body extent -1.5,-1.4 1.5,1.4, height 1.15
"TEST 1" [mm] "测试点1mm"
  round 1 smd paste-1: 1(0,0)
"TEST 1.6" [mm] "测试点1.6mm"
  round 1.6 smd paste-1.6: 1(0,0)
  silkscreen extent -1.02,-1.01 1.02,1.02
"TSW 10x10x9-5Key-LS" [mm] "6脚，长：10.5，宽：10，高：9mm"
  round 1.2 hole 1.2: 0(-2.25,2.25) 0(2.25,2.25)
  rect 2.2x1.1 smd: 1(-6.262,3.3) 2(-6.262,0.45) 3(-6.262,-3.3) 4(6.262,-3.3) 5(6.262,0.45) 6(6.262,3.3)
  silkscreen extent -5.29,-5.29 5.29,5.29, body extent -6.5,-5.16 6.5,5.16, height 9.05
"TSW DIP-3*6*5_V" [mm] "侧按轻触开关 3*6*5mm"
  round 2.3 hole 1.4: 0(-3.6,2.5) 0(3.6,2.5)
  round 1.6 hole 0.8: 1(-2.5,0) 2(2.5,0)
  silkscreen extent -3.81,-3.81 3.81,2.54, body extent -4,-3.75 4,3.5, height 4.45
"TSW SMD-3*6*2.5" [mm] "3*6*2.5mm"
  rect 2x1.5 smd: 1(-3.996,-0.02) 2(3.937,0)
  silkscreen extent -3.21,-1.9 3.09,1.9, body extent -4,-1.88 4,1.62, height 2.59
TYPE-C-USB-17 [mm]
  oval 1.2x1.8 hole 0.8 slot 1.4 at 90 deg: 0(-4.32,-2.624) 0(4.32,-2.624)
  oval 1.2x2 hole 0.8 slot 1.6 at 90 deg: 0(-4.32,1.556) 0(4.32,1.556)
  rect 0.3x1.3 smd: A1(-3.35,2.623) A4(-2.55,2.623) A5(-1.25,2.623) A6(-0.25,2.623) A7(0.25,2.623) A8(-1.75,2.624) A9(2.55,2.623) A12(3.35,2.623) B1(3.05,2.623) B4(2.25,2.623) B5(1.75,2.623) B6(0.75,2.623) B7(-0.75,2.623) B8(1.25,2.624) B9(-2.25,2.623) B12(-3.05,2.623)
  round 0.75 hole 0.75 unplated: ""(-2.89,1.026) ""(2.89,1.026)
  silkscreen extent -4.32,-5.23 4.32,2.47
USB-C/S_C [mm] "Type-C 6P母座"
  oval 1.2x2 hole 0.5 slot 1 at 90 deg: 0(-4.32,2.55) 0(4.32,2.55)
  oval 1.2x2 hole 0.5 slot 1.1 at 90 deg: 0(-4.32,6.25) 0(4.32,6.25)
  rect 0.7x2 smd: A5(-0.5,7.05) B5(0.5,7.05)
  rect 0.8x2 smd: A9(1.52,7.05) B9(-1.52,7.05)
  rect 0.9x2 smd: A12(2.75,7.05) B12(-2.75,7.05)
  silkscreen extent -4.57,-0.13 4.57,4.83, body extent -4.47,0 4.48,7.05, height 3.16

## Part data
1: library part 5Key, "五向按键", BOM名称=五向按键
BNC1: library part BNC插座, "示波器探头插座，DOSIN-801-0083", BOM名称=示波器探头插座，DOSIN-801-0083
C1 C2 C4 C5 C6 C7 C9 C18 C21 C23 C25 C26 C27 C28 C34 C41: library part "C X5R", "无极性贴片电容 X5R", BOM名称=X5R
C3 C8 C10 C11 C12 C15 C16 C17 C19 C20 C22 C24 C29 C31 C33 C35 C36 C37 C38 C39 C40: library part "C X7R", "无极性贴片电容 X7R", BOM名称=X7R
C13 C14 C30 C32: library part "C NP0", "无极性贴片电容 NP0", BOM名称=NP0
D1 D5 D6 D7: library part 1N4148, "高速开关二极管", BOM名称=高速开关二极管, 学习资源=www.ooocke.com, 版权归属=源创客
D2 D3 D4 D8: library part 1N5819, "肖特基二极管", BOM名称=肖特基二极管, 学习资源=www.ooocke.com, 属性=40V/2A, 版权归属=源创客
DR1 DR2: library part DR, "瞬态电压抑制二极管", BOM名称=瞬态电压抑制二极管, 学习资源=www.ooocke.com, 版权归属=源创客
F1: library part FU, "贴片保险丝 9V 0.2A/0.5A", BOM名称="贴片保险丝 9V 0.2A/0.5A", 学习资源=www.ooocke.com, 版权归属=源创客
IC1: library part LM358, "双路运放", BOM名称=双路运放, 学习资源=www.ooocke.com, 版权归属=源创客
IC2: library part CD4051, "八选一", BOM名称=八选一
IC3: "低压差线性稳压芯片", BOM名称=低压差线性稳压芯片, 学习资源=www.ooocke.com, 版权归属=源创客
IC4: library part W25Qxx, "外置Flash", BOM名称=外置Flash, 学习资源=www.ooocke.com, 版权归属=源创客
IC5: library part TL431_SMD, "可调基准稳压芯片", BOM名称=可调基准稳压芯片, 学习资源=www.ooocke.com, 版权归属=源创客
IC6: library part 5, "锂电池 二合一保护IC", BOM名称="锂电池 二合一保护IC"
IC7: library part 5, "1S锂电充电", BOM名称=1S锂电充电
JP1 JP3 JP4 JP5: library part "Header 2", "2P接插件", BOM名称=2P接插件, 学习资源=www.ooocke.com, 版权归属=源创客
JP2: library part "Header 18X2", "18*2P接插件", BOM名称=18*2P接插件, 学习资源=www.ooocke.com, 版权归属=源创客
JP6: library part "Header 3", "3P接插件", BOM名称=3P接插件, 学习资源=www.ooocke.com, 版权归属=源创客
L1: library part L-NR, "SMNR6045-102M", BOM名称=SMNR6045-102M, 学习资源=www.ooocke.com, 版权归属=源创客
LB1 LB2 LB3 LB4: library part LB, "磁珠 600R@100MHz", BOM名称="磁珠 600R@100MHz", 学习资源=www.ooocke.com, 版权归属=源创客
LED1: library part LED-SMD, "蓝色 贴片LED", BOM名称="蓝色 贴片LED", 学习资源=www.ooocke.com, 版权归属=源创客
LED2: library part LED-SMD, "贴片LED 蓝色", BOM名称="蓝色 贴片LED", 学习资源=www.ooocke.com, 版权归属=源创客
LED3 LED4: library part LED-SMD, "贴片LED 红色", BOM名称="贴片LED 红色", 学习资源=www.ooocke.com, 版权归属=源创客
LED5: library part LED-SMD, "红色 贴片LED", BOM名称="红色 贴片LED", 学习资源=www.ooocke.com, 版权归属=源创客
Q1: library part 8550-SMD, "高频放大-PNP型", BOM名称=高频放大-PNP型, 学习资源=www.ooocke.com, 属性="40V 1.5A 1W 100MHZ", 版权归属=源创客
Q2 Q3 Q4: library part 8050-SMD, "高频放大-NPN型", BOM名称=高频放大-NPN型, 学习资源=www.ooocke.com, 属性="40V 1.5A 1W 100MHZ", 版权归属=源创客
Q5: library part P-MOS, "场效应管 P沟道 12V/4.3A", BOM名称="场效应管 P沟道 12V/4.3A", 学习资源=www.ooocke.com, 版权归属=源创客
R1 R2 R3 R4 R5 R6 R7 R8 R9 R10 R11 R12 R13 R14 R15 R16 R17 R18 R19 R20 R21 R22 R23 R24 R25 R26 R27: library part R, "贴片电阻 E-96 1%", BOM名称="E-96 1%"
RP1 RP2 RP3: library part RP-ID, "插件单联电位器", BOM名称=插件电位器, 学习资源=www.ooocke.com, 版权归属=源创客
S1 S2 S3: library part SSW-1P, "1路拨动开关", BOM名称=拨动开关, 学习资源=www.ooocke.com, 版权归属=源创客
SP1 SP2 SP3 SP4: library part 铜柱小焊盘, "铜柱", BOM名称=铜柱, 学习资源=www.ooocke.com, 版权归属=源创客
SW1 SW3: library part "TSW 3x6", "3x6轻触开关", BOM名称=3x6轻触开关, 学习资源=www.ooocke.com, 版权归属=源创客
SW2: "数字开关编码器", BOM名称=数字编码开关, 学习资源=www.ooocke.com, 版权归属=源创客
TP1 TP2 TP3 TP4 TP5 TP6 TP7 TP8 TP9 TP10 TP11 TP12 TP13 TP14 TP15 TP16 TP17 TP18 TP19 TP20 TP21 TP22 TP23 TP24 TP25 TP26 TP27 TP28 TP29 TP30 TP31: library part TEST, "测试点", BOM名称=测试点, 学习资源=www.ooocke.com, 版权归属=源创客
U1: JLCPCB Part Class="Extended Part", Manufacturer=STC(宏晶), Add into BOM=yes, Convert to PCB=yes, Datasheet=https://atta.szlcsc.com/upload/public/pdf/source/20220519/F36B7AE14E7682CFD7D7CC400D8CC62F.pdf, Device=STC32G12K128-Beta-LQFP64, LCSC Part Name=STC32G12K128-Beta-LQFP64, Manufacturer Part=STC32G12K128-Beta-LQFP64, Name=STC32G12K128-Beta-LQFP64, Supplier=LCSC, Supplier Footprint=LQFP-64, Supplier Part=C3020367, Symbol=STC32G12K128-BETA-LQFP64
U2: library part STC15W4K60S4_LQFP48
USB1: library part USB-C_6P/S, "USB-C_6P型母接口", BOM名称=USB-C型母接口, 学习资源=www.ooocke.com, 版权归属=源创客
X1 X2: library part XTAL-4P, "4脚无源晶振", BOM名称=4脚无源晶振, 学习资源=www.ooocke.com, 版权归属=源创客
LCD1: BOM名称="LCD 1602", 学习资源=www.ooocke.com, 版权归属=源创客

## Via types
v1: diameter 60, hole 50, Top Layer to Bottom Layer, 8 vias

## Nets (pads, with @x,y where several pads share a name; then routed paths per layer and width w, separated by ;. In a path a pad name is that pad's centre, name@x,y a point inside that pad or via, vN(x,y) a via of type N, cw(c..) or ccw(c..) an arc to the next point about the centre after c; other vN are vias at no path point)
G_BAT: C38.1 IC6.1 IC6.2 R17.1 R18.1 R19.1 TP31.1
G_BAT_out: C1.1 C4.1 C25.1 C39.1 C40.2 C41.1 DR1.1 IC6.4 IC6.5 IC7.2 LB2.1 LB4.1 LED1.2 LED2.2 LED3.2 LED4.2 R1.1 R2.1 R17.2 R18.2 R19.2 R23.2 R25.2 R27.1 TP2.1 USB1.A12 USB1.B12
GND_Mini-DSO: BNC1.1 BNC1.2 BNC1.3 BNC1.4 C5.1 C6.1 C13.2 C14.2 C15.2 C16.2 C17.2 C18.1 C19.2 C20.1 DR2.2 IC5.3 JP1.1 JP3.1 LB2.2 R5.2 R8.1 U1.21 USB2.A1 USB2.A12 USB2.B1 USB2.B12 X1.2 X1.4
  other v1: 3200,4145 3305,4145 3200,4245 3305,4245
GND_Mini-WG: C26.1 C27.1 C28.1 C29.2 C30.2 C31.2 C32.2 C33.1 C34.1 C35.2 C36.2 C37.2 JP4.2 JP5.2 JP6.3 LB4.2 LCD1.1 LCD1.16 RP1.3 SW2.2 SW2.C U2.17 X2.2 X2.4
  other v1: 2940,2370 3045,2370 2940,2470 3045,2470
GND_PW: C21.1 C22.2 C23.1 C24.2 IC3.1
Mini-WG_EC11_P32: SW2.1 U2.21
Mini-WG_EC11_P33: SW2.A U2.22
Mini-WG_EC11_P34: SW2.B U2.23
Mini-WG_LCD_D0: LCD1.7 U2.33
Mini-WG_LCD_D1: LCD1.8 U2.34
Mini-WG_LCD_D2: LCD1.9 U2.35
Mini-WG_LCD_D3: LCD1.10 U2.36
Mini-WG_LCD_D4: LCD1.11 U2.37
Mini-WG_LCD_D5: LCD1.12 U2.38
Mini-WG_LCD_D6: LCD1.13 U2.39
Mini-WG_LCD_D7: LCD1.14 U2.40
Mini-WG_LCD_E: LCD1.6 U2.4
Mini-WG_LCD_RS: LCD1.4 U2.2
Mini-WG_LCD_RW: LCD1.5 U2.3
Mini-WG_P44: RP3.1 RP3.2 U2.32
Mini-WG_P45: RP2.1 RP2.2 U2.41
NetBNC1_5: BNC1.5 JP1.2
NetC13_1: C13.1 U1.14 X1.1
NetC14_1: C14.1 U1.15 X1.3
NetC15_1: C15.1 U1.17
NetC20_2: C20.2 IC5.1 IC5.2 R10.1 R11.1 TP3.1
NetC30_1: C30.1 U2.12 X2.1
NetC31_1: C31.1 JP5.1 L1.2 S3.1
NetC32_1: C32.1 U2.13 X2.3
NetC33_2: C33.2 S3.2
NetC38_2: C38.2 IC6.3 R20.2
NetD2_2: D2.2 D4.1
NetD3_1: D3.1 DR2.1 USB2.A4 USB2.A9 USB2.B4 USB2.B9
NetD5_1: D5.1 U2.19
NetD5_2: D5.2 JP6.2
NetD6_1: D6.1 SW3.1
NetD6_2: D6.2 D7.1 R21.1
NetD7_2: D7.2 R22.1 R23.1
NetD8_2: D8.2 F1.2 Q5.2
NetIC7_1: IC7.1 LED5.2
NetIC7_5: IC7.5 R25.1
NetJP3_2: JP3.2 R9.2
NetJP4_1: JP4.1 RP2.3
NetJP6_1: JP6.1 R13.1
NetL1_1: L1.1 RP3.3
NetLCD1_3: LCD1.3 RP1.2
NetLCD1_15: LCD1.15 R12.2
NetLED1_1: LED1.1 R3.2
NetLED2_1: LED2.1 R4.2
NetLED3_1: LED3.1 Q3.2
NetLED4_1: LED4.1 Q4.2
NetLED5_1: LED5.1 R24.1
NetQ1_3: Q1.3 Q2.3
NetQ3_1: Q3.1 R21.2
NetQ4_1: Q4.1 R22.2
NetQ5_1: Q5.1 R26.1 R27.2
NetR1_2: R1.2 USB1.B5
NetR2_2: R2.2 USB1.A5
NetR5_1: R5.1 USB2.B5
NetR6_2: R6.2 USB2.A7 USB2.B7
NetR7_2: R7.2 USB2.A6 USB2.B6
NetR8_2: R8.2 USB2.A5
NetR9_1: R9.1 U1.4
NetR13_2: R13.2 U2.20
NetTP4_1: TP4.1 U2.48
NetTP5_1: TP5.1 U2.47
NetTP6_1: TP6.1 U2.46
NetTP7_1: TP7.1 U2.45
NetTP8_1: TP8.1 U2.44
NetTP9_1: TP9.1 U2.43
NetTP10_1: TP10.1 U2.42
NetTP11_1: TP11.1 U2.1
NetTP12_1: TP12.1 U2.31
NetTP13_1: TP13.1 U2.5
NetTP14_1: TP14.1 U2.30
NetTP15_1: TP15.1 U2.6
NetTP16_1: TP16.1 U2.29
NetTP17_1: TP17.1 U2.7
NetTP18_1: TP18.1 U2.28
NetTP19_1: TP19.1 U2.8
NetTP20_1: TP20.1 U2.27
NetTP21_1: TP21.1 U2.9
NetTP22_1: TP22.1 U2.26
NetTP23_1: TP23.1 U2.10
NetTP24_1: TP24.1 U2.25
NetTP25_1: TP25.1 U2.11
NetTP26_1: TP26.1 U2.24
NetTP27_1: TP27.1 U2.14
NetTP28_1: TP28.1 U2.16
NetTP29_1: TP29.1 U2.18
P30_Mini-DSO_N: R6.1 U1.27
P30_Mini-DSO_P: R7.1 U1.28
V_3V3: C23.2 C24.1 IC3.2
V_BAT: R14.1 R15.1 R16.1 R20.1 TP30.1
V_BAT_C: C39.2 IC7.3 Q3.3 Q4.3 Q5.3 R14.2 R15.2 R16.2 SW3.2
V_Sys: F1.1 S1.2 S2.2
VCC_5V: C1.2 C40.1 C41.2 D8.1 DR1.2 IC7.4 R24.2 R26.2 TP1.1 USB1.A9 USB1.B9
VCC_5V_Mini-DSO: C5.2 C6.2 C16.1 C17.1 C18.2 C19.1 C21.2 C22.1 D3.2 IC3.3 LB1.2 R10.2 U1.19
VCC_5V_Mini-WG: C26.2 C27.2 C28.2 C29.1 C34.2 C35.1 C36.1 C37.1 LB3.2 LCD1.2 R12.1 RP1.1 U2.15
VCC_Mini-DSO: C4.2 LB1.1 R3.1 S1.3
VCC_Mini-WG: C25.2 LB3.1 R4.1 S2.3
Vref_2V5: R11.2 U1.20
pads on no net: 1.0 1.1 1.2 1.3 1.4 1.5 1.6 "S1. " "S2. " "S3. " C2.1 C2.2 C3.1 C3.2 C7.1 C7.2 C8.1 C8.2 C9.1 C9.2 C10.1 C10.2 C11.1 C11.2 C12.1 C12.2 D1.1 D1.2 D2.1 D4.2 IC1.1 IC1.2 IC1.3 IC1.4 IC1.5 IC1.6 IC1.7 IC1.8 IC2.1 IC2.2 IC2.3 IC2.4 IC2.5 IC2.6 IC2.7 IC2.8 IC2.9 IC2.10 IC2.11 IC2.12 IC2.13 IC2.14 IC2.15 IC2.16 IC4.1 IC4.2 IC4.3 IC4.4 IC4.5 IC4.6 IC4.7 IC4.8 JP2.1 JP2.2 JP2.3 JP2.4 JP2.5 JP2.6 JP2.7 JP2.8 JP2.9 JP2.10 JP2.11 JP2.12 JP2.13 JP2.14 JP2.15 JP2.16 JP2.17 JP2.18 JP2.19 JP2.20 JP2.21 JP2.22 JP2.23 JP2.24 JP2.25 JP2.26 JP2.27 JP2.28 JP2.29 JP2.30 JP2.31 JP2.32 JP2.33 JP2.34 JP2.35 JP2.36 Q1.1 Q1.2 Q2.1 Q2.2 S1.0 S1.1 S2.0 S2.1 S3.0 S3.3 SP1.1 SP2.1 SP3.1 SP4.1 SW1.1 SW1.2 SW2.0 SW3.0 U1.1 U1.2 U1.3 U1.5 U1.6 U1.7 U1.8 U1.9 U1.10 U1.11 U1.12 U1.13 U1.16 U1.18 U1.22 U1.23 U1.24 U1.25 U1.26 U1.29 U1.30 U1.31 U1.32 U1.33 U1.34 U1.35 U1.36 U1.37 U1.38 U1.39 U1.40 U1.41 U1.42 U1.43 U1.44 U1.45 U1.46 U1.47 U1.48 U1.49 U1.50 U1.51 U1.52 U1.53 U1.54 U1.55 U1.56 U1.57 U1.58 U1.59 U1.60 U1.61 U1.62 U1.63 U1.64 USB1.0 USB2. USB2.0 USB2.A8 USB2.B8

## Keep-outs
Keep-Out Layer:
  lines w10: 1750,1780 ccw(c1800,1780) 1800,1730 5590,1730 ccw(c5590,1780) 5640,1780 5640,5075 ccw(c5590,5075) 5590,5125 1800,5125 ccw(c1800,5075) 1750,5075 1750,3245 1750,1785 1750,1780

## Other copper
Bottom Layer:
  pour cut-out: 1750,4740 3700,4740 3700,3335 1750,3335
  pour cut-out: 1755,2920 3520,2920 3520,2070 1750,2070

## Silkscreen, mask and mechanical layers (free items; w line width, h text height)
Top Overlay:
  text "确定 TFT LCD 多大，还需要重新调整TFT位置和板边" at 0,3555 h120
  text "DSO GND 走线 在 磁珠 单点接地" at 3517.5,3203.95 h120
  text "屏下弯钩调" at 2300.9,2920.65 h80
  text "WG GND 走线 在 磁珠 单点接地" at 3685,2855 h120
  text "下面这两个螺丝孔要准确定位到LCD1602模组下面的两个螺丝定位孔" at 1757.08,1446.85 h120
  text "背面一个  G_BAT_out 整个覆铜 / 正面不覆铜 / 信号密集区、MCU 的 地方不覆铜，包括背面" at 2103.32,1005 h120
  text "看看能不能做单面 SMT，这样减少成本" at 1822.08,611.85 h120

## Text inside footprints (layer, text, board x,y; h text height)
JP2: Top Overlay "2" at 4865,5135 h40 r270; Top Overlay "1" at 4765,5115 h40 r270; Top Overlay "35" at 4765,3275 h40 r270; Top Overlay "36" at 4865,3275 h40 r270
LCD1: Top Overlay "LCD1602" at 3090.04,2448.43 h60